# Altium PCB smart-ring-main.PcbDoc (part 1 of 6)
Units mm, origin at the board's own origin, x right, y up, seen from the top; angles counter-clockwise.
Board outline 62.7 x 25.3 mm, 6 copper layers (S1 Copper top, S2 Flex copper top, S3 Flex copper inner 1, S4 Flex copper inner 2, S5 Flex copper bottom, S6 Copper bottom), stack 0.511 mm thick; 75 components, 47 nets, 265 pads, 262 vias.
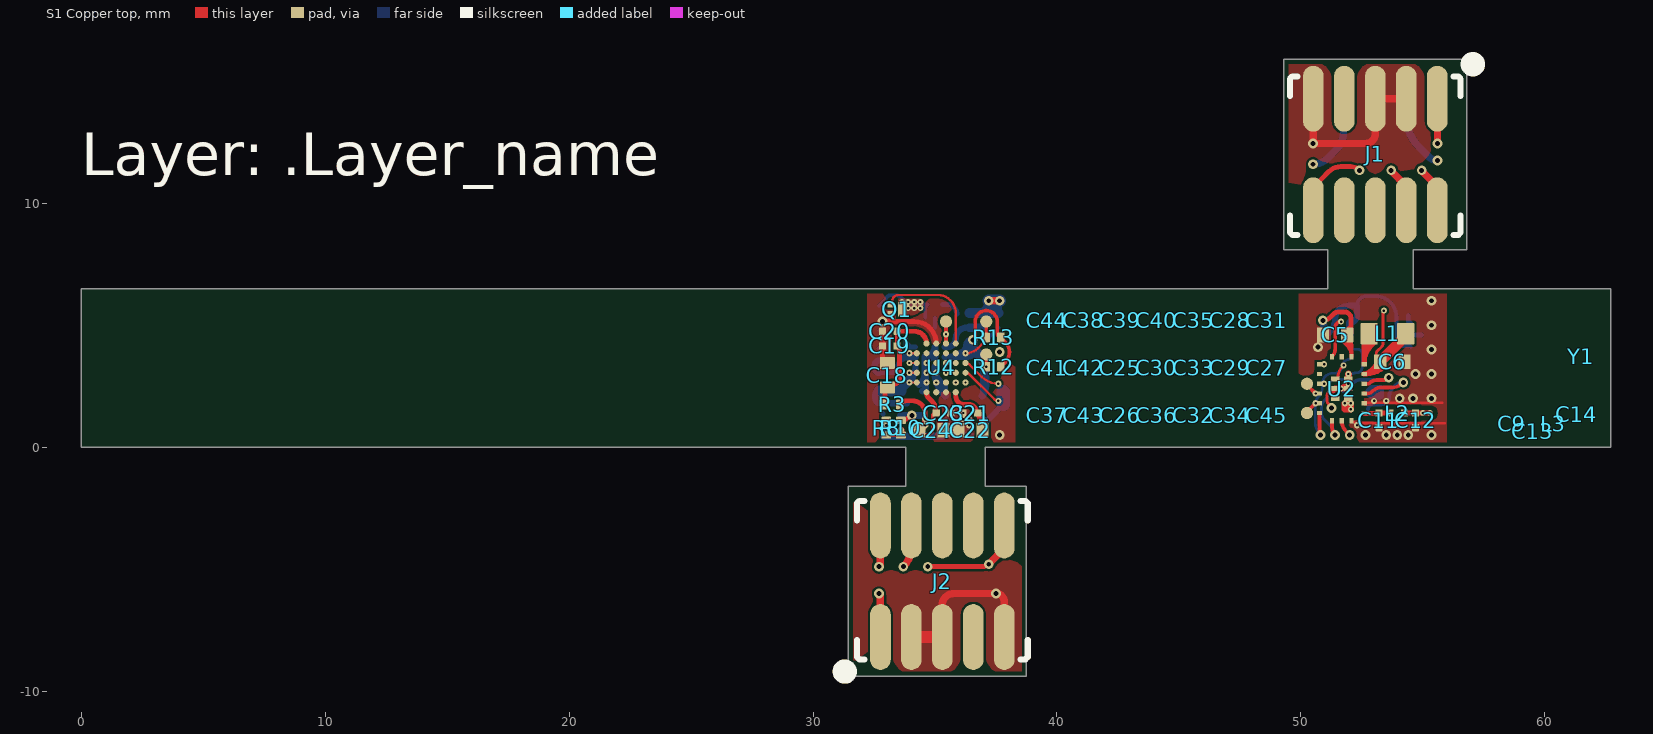
[diagram p0: S1 Copper top view]
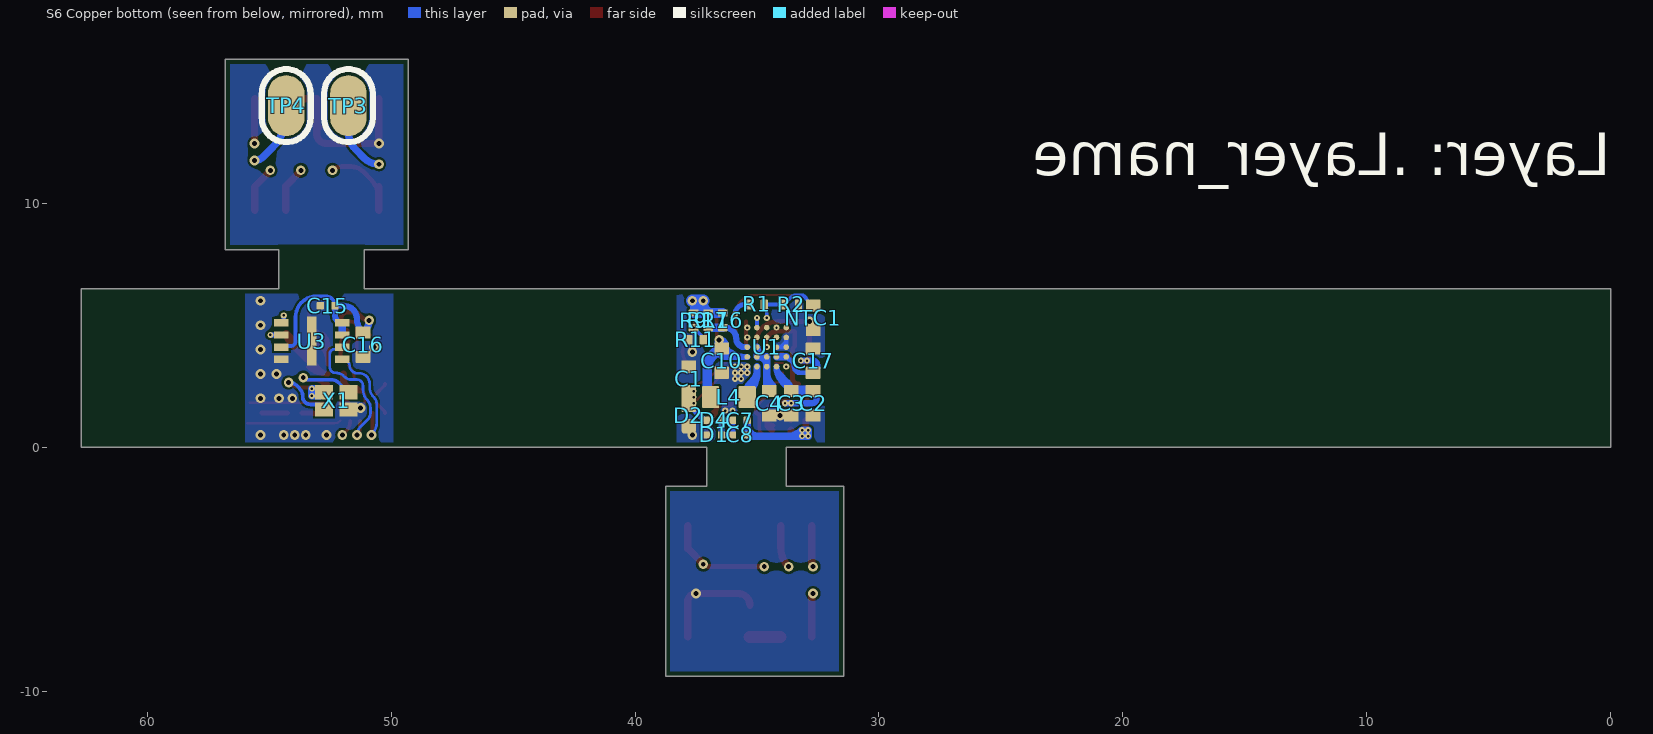
[diagram p1: S6 Copper bottom view, seen from below]
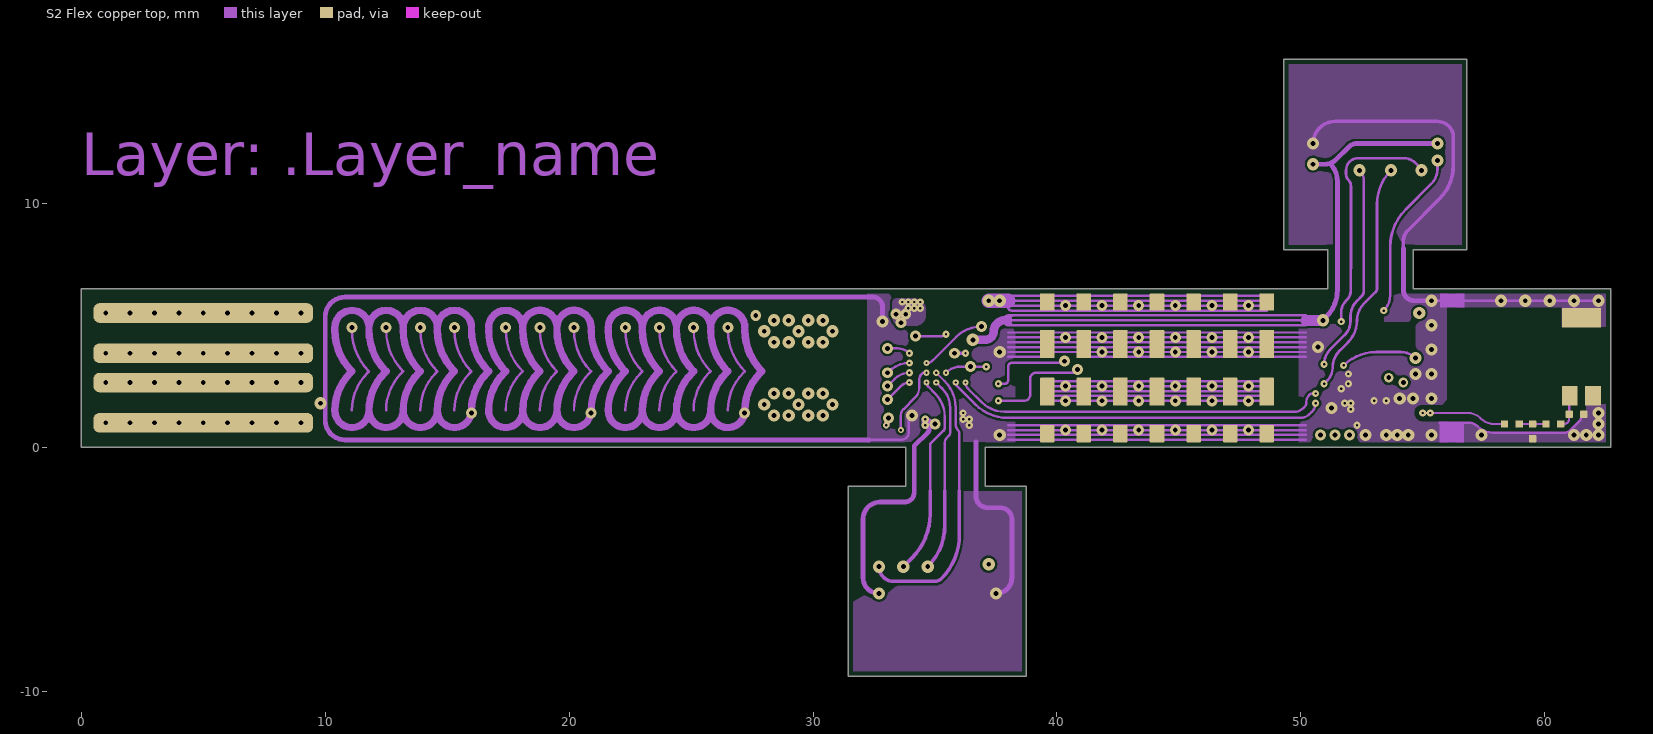
[diagram p2: S2 Flex copper top]
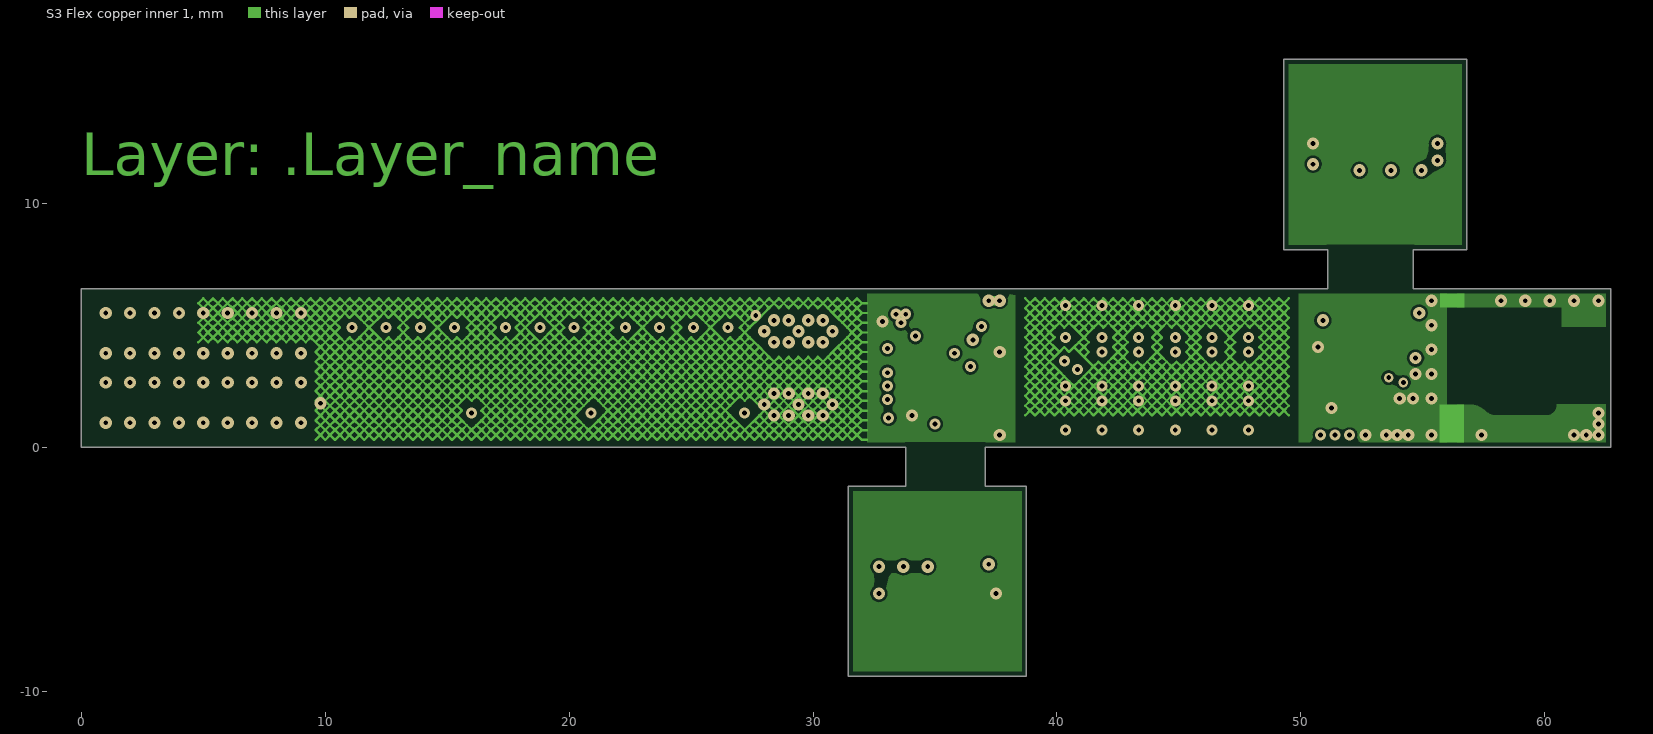
[diagram p3: S3 Flex copper inner 1]
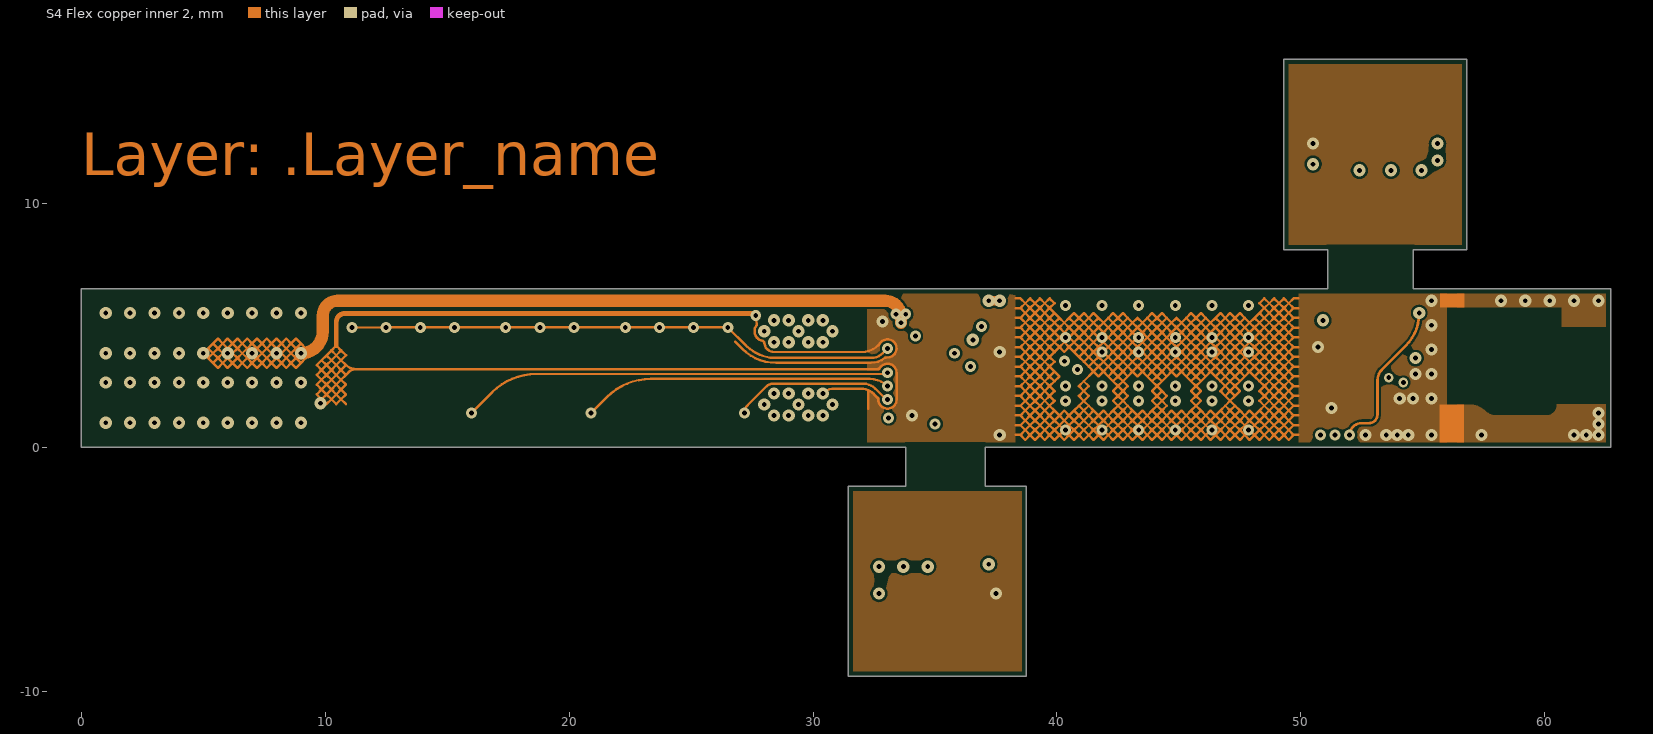
[diagram p4: S4 Flex copper inner 2]
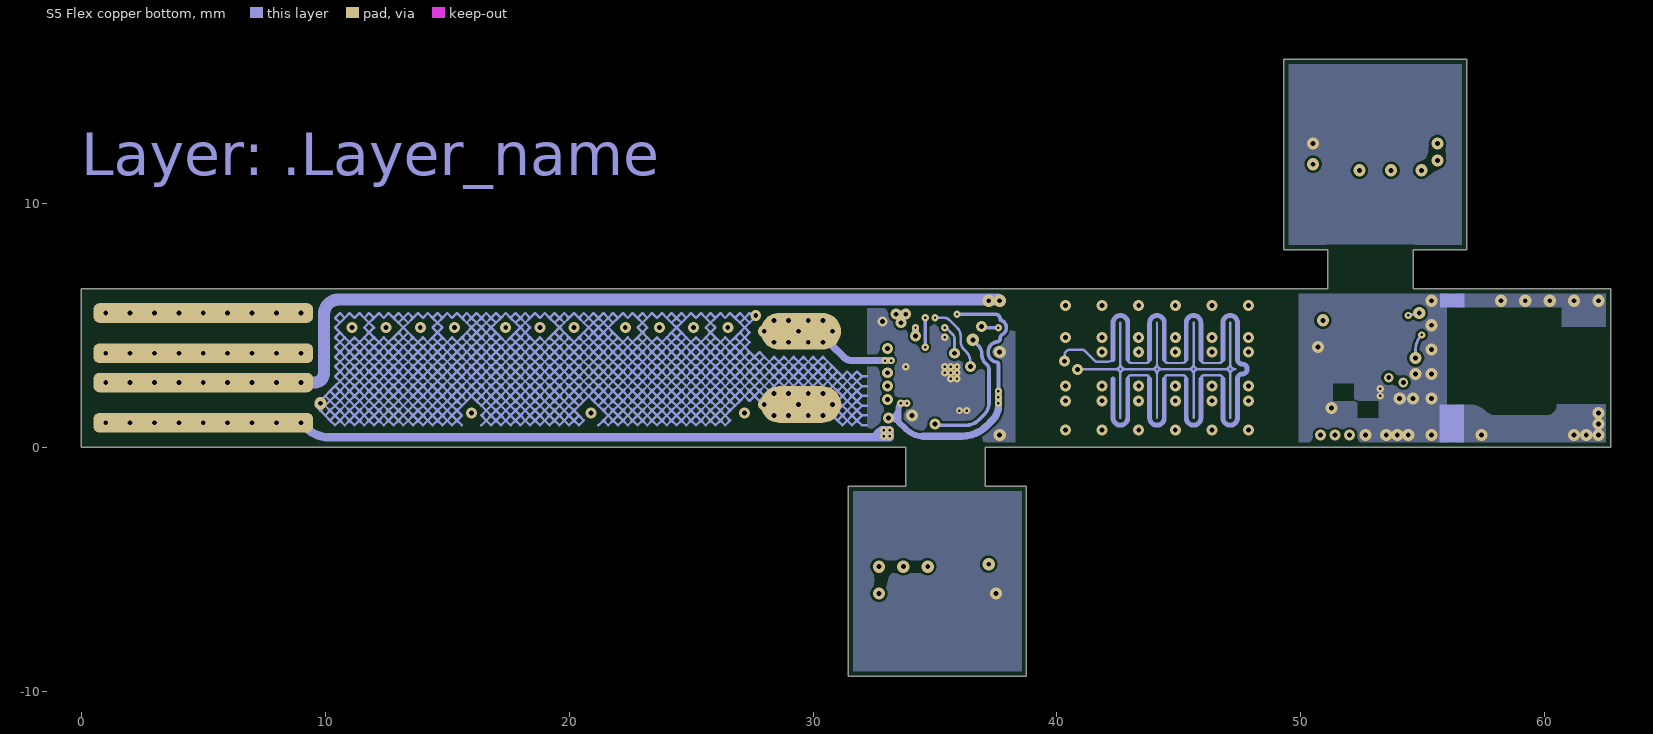
[diagram p5: S5 Flex copper bottom]
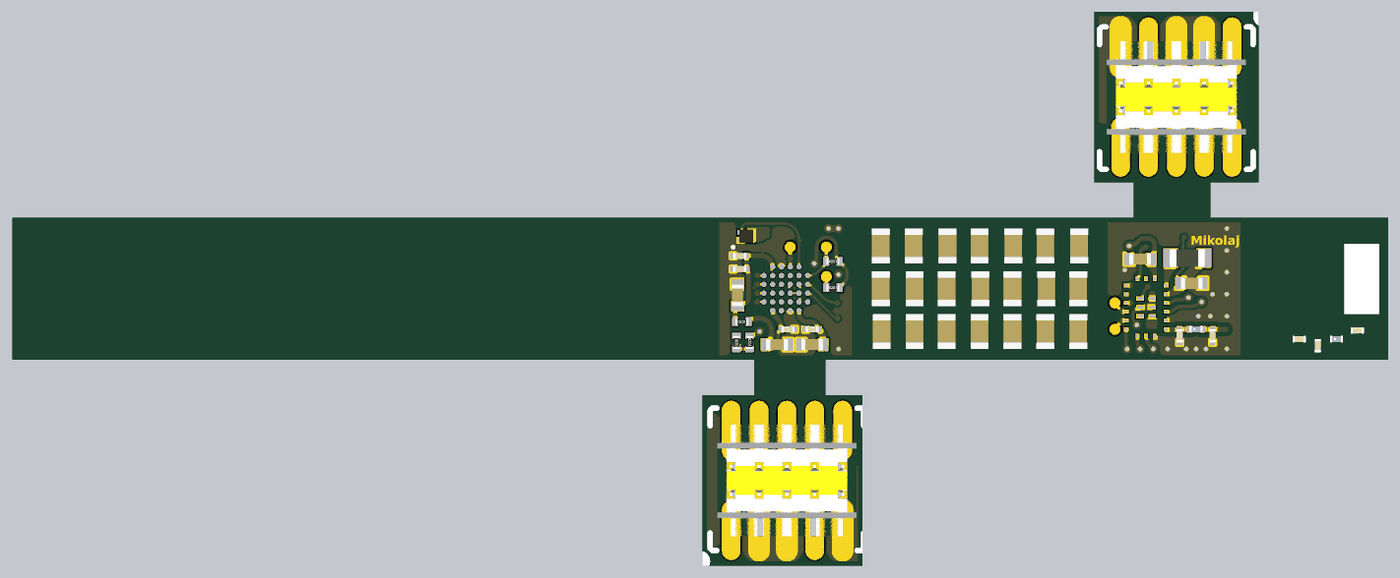
[diagram p11: 3D render of the assembled board from above, using the file's embedded part models]
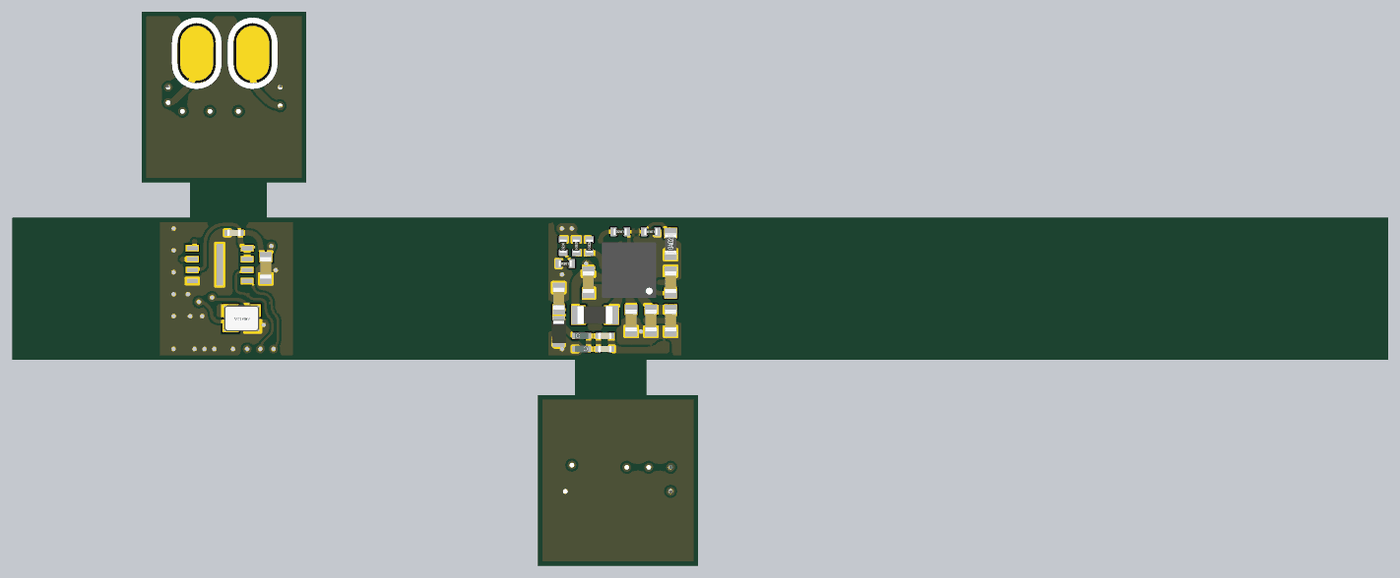
[diagram p12: 3D render of the assembled board from below, using the file's embedded part models]

## Layer stack, top to bottom
Top Solder: solder mask 0.02, Solder Resist, Dk 3.5
S1 Copper top: signal copper 0.018
Dielectric FR4 top: prepreg 0.15, FR4, Dk 4.1
Pure gum 1: prepreg 0.013, Pure gum, Dk 4.1
S2 Flex copper top: signal copper 0.012
Dielectric PI: prepreg 0.025, Polyamide, Dk 4.1
Pure gum 2: prepreg 0.013, Pure gum, Dk 4.1
S3 Flex copper inner 1: signal copper 0.012
Dialectric PI: dielectric 0.025, Polyamide, Dk 4.8
S4 Flex copper inner 2: signal copper 0.012
Pure gum 3: prepreg 0.013, Pure gum, Dk 4.1
Dielectric 2: prepreg 0.025, Polyamide, Dk 4.1
S5 Flex copper bottom: signal copper 0.012
Pure gum 4: prepreg 0.013, Pure gum, Dk 4.1
Dielectric FR4 bottom: prepreg 0.15, FR4, Dk 4.1
S6 Copper bottom: signal copper 0.018
Bottom Solder: solder mask 0.02, Solder Resist, Dk 3.5

## Board outline
31.45,-9.4 31.45,-1.6 33.8,-1.6 33.8,0 0,0 0,6.5 51.1,6.5 51.1,8.1 49.3,8.1 49.3,15.9 56.8,15.9 56.8,8.1 54.6,8.1 54.6,6.5 62.7,6.5 62.7,0 37.05,0 37.05,-1.6 38.75,-1.6 38.75,-9.4
board region "Layer Stack Region Atmel": 32,0 32,6.5 38.5,6.5 38.5,0 37.05,0
board region "Layer Stack Region Touch and Pads": 32,0 0,0 0,6.5 32,6.5
board region "Layer Stack Region Interconnect and Capacitors": 49.7,6.5 49.7,0 38.5,0 38.5,6.5
board region "Layer Stack Region Interconnect Atmel": 33.8,-1.6 33.8,0 37.05,0 37.05,-1.6
board region "Layer Stack Region Atmel test": 38.75,-1.6 38.75,-9.4 31.45,-9.4 31.45,-1.6
board region "Layer Stack Region Dialog test": 49.3,8.1 49.3,15.9 56.8,15.9 56.8,8.1
board region "Layer Stack Region Antenna": 56.2,6.5 62.7,6.5 62.7,0 56.2,0
board region "Layer Stack Region Dialog": 56.2,6.5 56.2,0 49.7,0 49.7,6.5
board region "Layer Stack Region Interconnect Dialog": 51.1,6.5 51.1,8.1 54.6,8.1 54.6,6.5

## Design rules (kind name [scope] priority, off if disabled: settings)
AcuteAngle [All] p1: minimum=6.00000000000000E+0001 checktracksonly=FALSE
BoardOutlineClearance [All] p1: gap=0.2 ignorepadtopadclearanceinfootprint=FALSE except(0: Arc-SplitContinuation Track-SplitContinuation)
Clearance RF_clearance_top_flex [OnLayer('S2 Flex Copper top') and (InNet('RF1') or InNet('RF2') or InNet('RF3') or InNet('RF4')) vs All and not (InNet('RF1') or InNet('RF2') or InNet('RF3') or InNet('RF4'))] p1: gap=0.152 ignorepadtopadclearanceinfootprint=FALSE
Clearance RF_clearance_top_rigid [OnLayer('S1 Copper top') and (InNet('RF1') or InNet('RF2') or InNet('RF3') or InNet('RF4')) vs All and not (InNet('RF1') or InNet('RF2') or InNet('RF3') or InNet('RF4'))] p2: gap=0.216 ignorepadtopadclearanceinfootprint=FALSE
Clearance polygon_clearance [InPolygon] p3: gap=0.1 ignorepadtopadclearanceinfootprint=FALSE
Clearance main_clearance [All] p4: gap=0.1 ignorepadtopadclearanceinfootprint=FALSE except(0: Via-Region)
DiffPairsRouting [All] p1: maxlimit=0.254 minlimit=0.254 mostfreqgap=0.254 substack1={5D698F13-ECB0-4EDE-8D96-96FCC5D38E0C} toplayer_{5d698f13-ecb0-4ede-8d96-96fcc5d38e0c}_minwidth=0.381 toplayer_{5d698f13-ecb0-4ede-8d96-96fcc5d38e0c}_maxwidth=0.381 toplayer_{5d698f13-ecb0-4ede-8d96-96fcc5d38e0c}_prefwidth=0.381 midlayer1_{5d698f13-ecb0-4ede-8d96-96fcc5d38e0c}_minwidth=0.381 midlayer1_{5d698f13-ecb0-4ede-8d96-96fcc5d38e0c}_maxwidth=0.381 midlayer1_{5d698f13-ecb0-4ede-8d96-96fcc5d38e0c}_prefwidth=0.381 midlayer2_{5d698f13-ecb0-4ede-8d96-96fcc5d38e0c}_minwidth=0.381 midlayer2_{5d698f13-ecb0-4ede-8d96-96fcc5d38e0c}_maxwidth=0.381 midlayer2_{5d698f13-ecb0-4ede-8d96-96fcc5d38e0c}_prefwidth=0.381 midlayer3_{5d698f13-ecb0-4ede-8d96-96fcc5d38e0c}_minwidth=0.381 midlayer3_{5d698f13-ecb0-4ede-8d96-96fcc5d38e0c}_maxwidth=0.381 midlayer3_{5d698f13-ecb0-4ede-8d96-96fcc5d38e0c}_prefwidth=0.381 midlayer4_{5d698f13-ecb0-4ede-8d96-96fcc5d38e0c}_minwidth=0.381 midlayer4_{5d698f13-ecb0-4ede-8d96-96fcc5d38e0c}_maxwidth=0.381 midlayer4_{5d698f13-ecb0-4ede-8d96-96fcc5d38e0c}_prefwidth=0.381 bottomlayer_{5d698f13-ecb0-4ede-8d96-96fcc5d38e0c}_minwidth=0.381 bottomlayer_{5d698f13-ecb0-4ede-8d96-96fcc5d38e0c}_maxwidth=0.381 bottomlayer_{5d698f13-ecb0-4ede-8d96-96fcc5d38e0c}_prefwidth=0.381 toplayer_minwidth=0.381 toplayer_maxwidth=0.381 toplayer_prefwidth=0.381 midlayer1_minwidth=0.381 midlayer1_maxwidth=0.381 midlayer1_prefwidth=0.381 midlayer2_minwidth=0.381 midlayer2_maxwidth=0.381 midlayer2_prefwidth=0.381 midlayer3_minwidth=0.381 midlayer3_maxwidth=0.381 midlayer3_prefwidth=0.381 midlayer4_minwidth=0.381 midlayer4_maxwidth=0.381 midlayer4_prefwidth=0.381 bottomlayer_minwidth=0.381 bottomlayer_maxwidth=0.381 bottomlayer_prefwidth=0.381 maxuncoupledlength=12.7
HoleSize "HoleSize Microvia" [IsMicroVia] p1: absolutevalues=TRUE maxlimit=0.1 minlimit=0.1 maxpercent=80.000 minpercent=20.000
HoleSize "HoleSize Drill" [All] p2: absolutevalues=TRUE maxlimit=0.2 minlimit=0.2 maxpercent=80.000 minpercent=20.000
HoleToHoleClearance [All] p1: gap=0 allowstackedmicrovias=FALSE
MinimumAnnularRing "MinimumOAR Microvia" [IsMicroVia] p1: minimumring=0.074
MinimumAnnularRing "MinimumOAR Via" [All] p2: minimumring=0.1
MinimumSolderMaskSliver [All] p1: minsoldermaskwidth=0.025
NetAntennae "NetAntennae GND" [InNet('GND')] p1: netantennaetolerance=1000
NetAntennae "NetAntennae TOUCH" [InNetClass('TOUCH')] p2: netantennaetolerance=100
NetAntennae "NetAntennae All" [All and not (InNet('VBAT') and IsVia)] p3 off: netantennaetolerance=0.3
PlaneClearance [All] p1: clearance=0.2
PlaneConnect [All] p1: planeconnectstyle=Relief reliefexpansion=0.15 reliefentries=4 reliefconductorwidth=0.1 reliefairgap=0.15
PolygonConnect [All] p1: connectstyle=Direct reliefconductorwidth=0.3 reliefentries=4 polygonreliefangle="90 Angle" airgapwidth=0.2
RoutingVias microvia [IsMicroVia] p1: holewidth=0.1 width=0.25 viastyle="Through Hole" minholewidth=0.1 minwidth=0.25 maxholewidth=0.1 maxwidth=0.3
RoutingVias "via and buried via" [IsVia] p2: holewidth=0.2 width=0.4 viastyle="Through Hole" minholewidth=0.2 minwidth=0.4 maxholewidth=0.4 maxwidth=1.5
SilkToSilkClearance [All] p1: silktosilkclearance=0.05
SilkToSolderMaskClearance [IsPad] p1: minsilkscreentomaskgap=0 clearancetoexposedcopper=TRUE
SolderMaskExpansion "microvia no solder mask" [IsMicroVia] p1: expansion=0 istentingtop=FALSE
SolderMaskExpansion [All] p2: expansion=0.102 istentingtop=FALSE
Width RF_width_top_flex [IsWire and (InNet('RF1') or InNet('RF2') or InNet('RF3') or InNet('RF4')) and OnLayer('S2 Flex copper Top')] p1: maxlimit=0.086 minlimit=0.086 preferedwidth=0.086 substack1={5D698F13-ECB0-4EDE-8D96-96FCC5D38E0C}
Width RF_width_top_rigid [IsWire and (InNet('RF1') or InNet('RF2') or InNet('RF3') or InNet('RF4')) and OnLayer('S1 Copper Top')] p2: maxlimit=0.211 minlimit=0.211 preferedwidth=0.211 substack1={5D698F13-ECB0-4EDE-8D96-96FCC5D38E0C}
Width [All] p3: maxlimit=1 minlimit=0.1 preferedwidth=0.1 substack1={5D698F13-ECB0-4EDE-8D96-96FCC5D38E0C} toplayer_{5d698f13-ecb0-4ede-8d96-96fcc5d38e0c}_minwidth=0.051 toplayer_{5d698f13-ecb0-4ede-8d96-96fcc5d38e0c}_prefwidth=0.076 midlayer1_{5d698f13-ecb0-4ede-8d96-96fcc5d38e0c}_minwidth=0.051 midlayer1_{5d698f13-ecb0-4ede-8d96-96fcc5d38e0c}_prefwidth=0.076 midlayer2_{5d698f13-ecb0-4ede-8d96-96fcc5d38e0c}_minwidth=0.051 midlayer2_{5d698f13-ecb0-4ede-8d96-96fcc5d38e0c}_prefwidth=0.076 midlayer3_{5d698f13-ecb0-4ede-8d96-96fcc5d38e0c}_minwidth=0.051 midlayer3_{5d698f13-ecb0-4ede-8d96-96fcc5d38e0c}_prefwidth=0.076 midlayer4_{5d698f13-ecb0-4ede-8d96-96fcc5d38e0c}_minwidth=0.051 midlayer4_{5d698f13-ecb0-4ede-8d96-96fcc5d38e0c}_prefwidth=0.076 bottomlayer_{5d698f13-ecb0-4ede-8d96-96fcc5d38e0c}_minwidth=0.051 bottomlayer_{5d698f13-ecb0-4ede-8d96-96fcc5d38e0c}_prefwidth=0.076
21 further rules are at their usual default settings.

## Classes and differential pairs
net class TOUCH: TOUCH_FINGER_RX TOUCH_FINGER_TX TOUCH_SLIDER_RX0 TOUCH_SLIDER_RX1 TOUCH_SLIDER_RX2 TOUCH_SLIDER_TX0
